# Altium PCB EBAZ4205.PcbDoc (part 2 of 6) (continued)
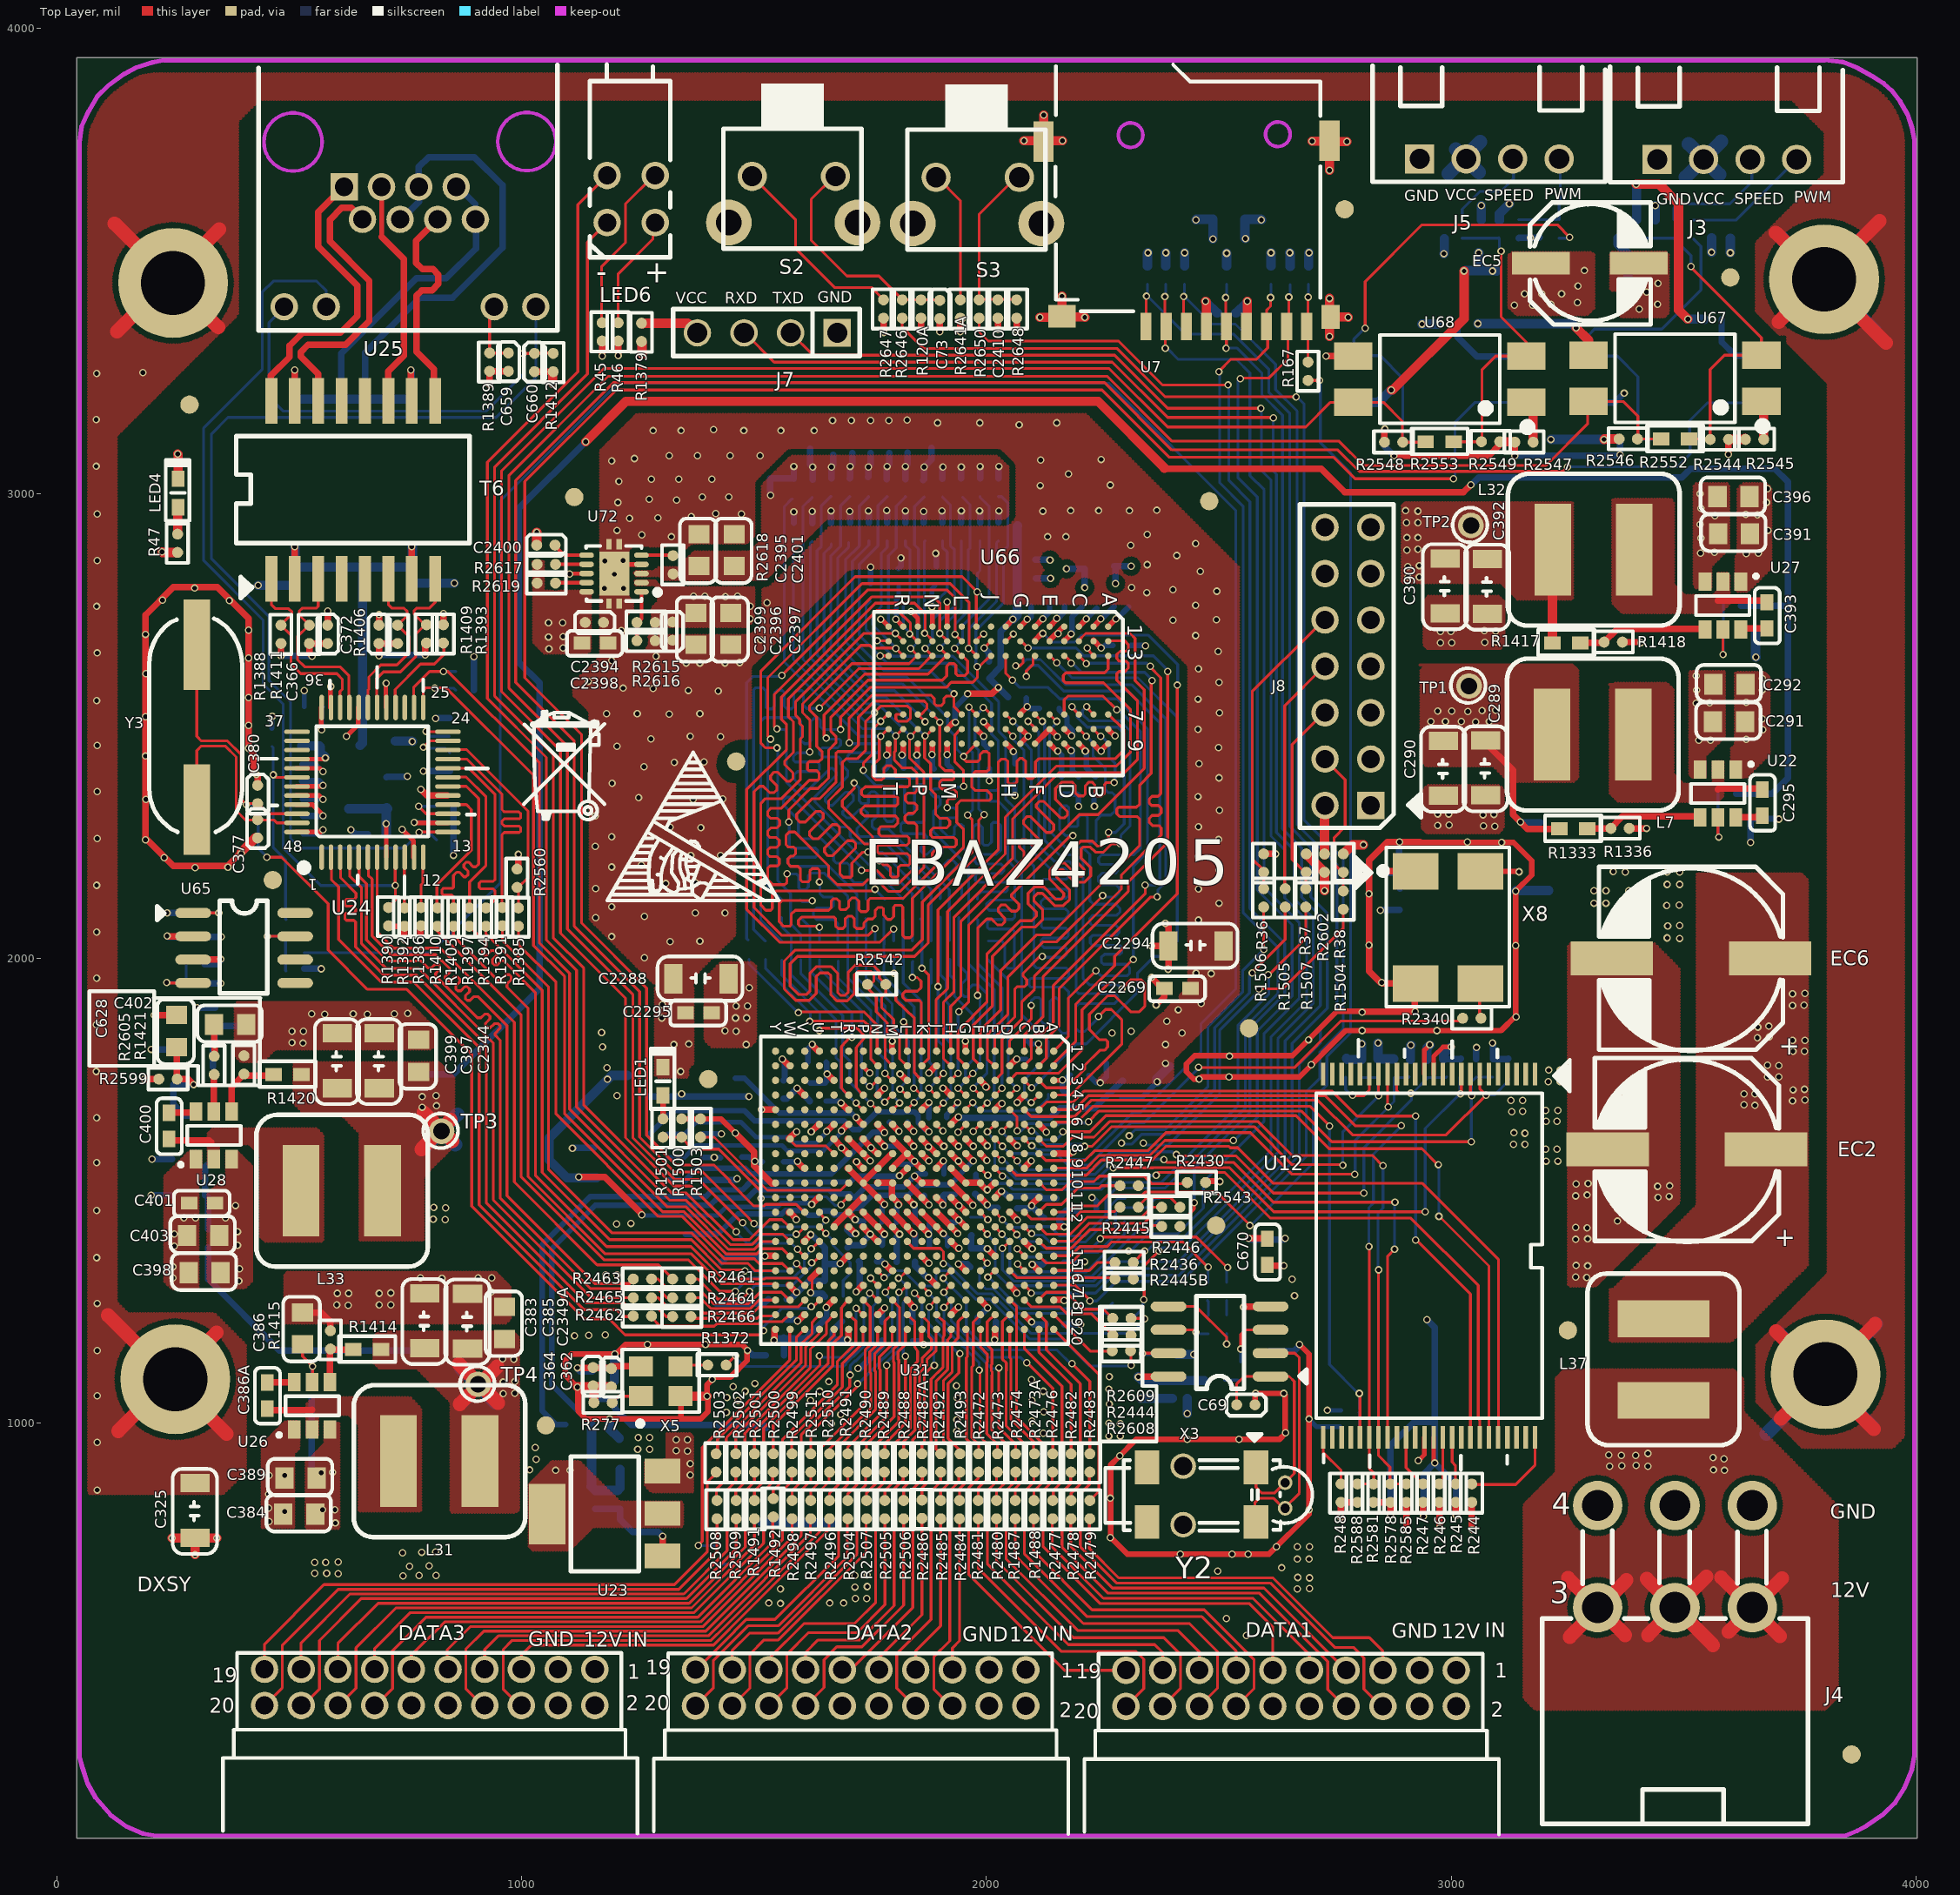
[diagram p0: Top Layer view]
## Nets (pads, with @x,y where several pads share a name; then routed paths per layer and width w, separated by ;. In a path a pad name is that pad's centre, name@x,y a point inside that pad or via, vN(x,y) a via of type N, cw(c..) or ccw(c..) an arc to the next point about the centre after c; other vN are vias at no path point) (continued)
  Bottom Layer w6: R2627.1@1585.63,2897.64 1584.65,2896.65 1584.65,2642.72 1733.52,2493.84 1779.27,2493.84 1779.52,2494.09 1789.37,2494.09 v1(1805.12,2478.35) ; v1@1733.27,2186.02 1733.27,2192.91 1579.72,2346.46 1569.88,2346.46 1562.99,2339.57 1562.99,2330.71 1595.47,2298.23 1595.47,2263.78 1602.36,2256.89 1644.69,2256.89 1671.26,2230.31 1671.26,2210.63 1677.17,2204.72 1700.79,2204.72 1706.69,2198.82 1706.69,2172.24 1716.54,2162.4 1736.22,2162.4 1741.14,2157.48 R2523.2@1741.14,2126.97
DDR-A7_0: R2524.2 R2628.1 U66.R2 | length 1426.1
  Top Layer w6: v1(1759.84,2148.62) 1755.91,2144.68 1547.24,2144.68 1539.37,2136.81 1539.37,2107.28 1535.43,2103.35 1525.59,2103.35 1514.76,2114.17 1514.76,2333.66 1524.61,2343.5 1559.06,2343.5 1599.41,2383.86 1599.41,2471.46 1604.33,2476.38 1604.33,2499.02 1598.43,2504.92 1598.43,2513.78 1589.57,2522.64 1589.57,2552.16 1736.47,2699.07 1782.32,2699.07 1782.57,2698.82 v1(1804.13,2698.82) 1818.9,2684.05 U66.R2@1820.87,2684.05
  Bottom Layer w6: v1@1762.8,2145.67 R2524.2@1781.5,2126.97 ; v1@1803.15,2699.8 1789.12,2713.83 1789.12,2865.89 1806.1,2882.87 1806.1,2972.44 1825.79,2992.13 R2628.1@1825.79,2993.11
DDR-A8_0: R2525.2 R2629.1 U66.T8 | length 1904.2
  Top Layer w6: v1@1770.67,2208.66 1778.54,2200.79 1787.4,2200.79 1793.31,2194.88 1793.31,2178.15 1797.24,2174.21 1807.09,2174.21 1810.04,2177.16 1810.04,2194.88 1814.96,2199.8 1831.69,2199.8 1835.63,2203.74 1835.63,2219.49 1829.72,2225.39 1768.7,2225.39 1764.76,2229.33 1764.76,2240.16 1767.72,2243.11 1828.74,2243.11 1833.66,2248.03 1833.66,2258.86 1829.72,2262.79 1773.62,2262.79 1768.7,2267.72 1768.7,2278.54 1773.62,2283.46 1802.17,2283.46 1809.06,2290.35 1809.06,2301.18 1804.13,2306.1 1737.2,2306.1 1735.24,2308.07 1730.32,2312.99 1730.32,2319.88 1738.19,2327.76 1805.12,2327.76 1809.06,2331.69 1809.06,2345.47 1806.1,2348.42 1736.22,2348.42 1731.3,2353.35 1731.3,2361.22 1739.17,2369.09 1830.71,2369.09 1834.65,2373.03 1834.65,2385.83 1829.72,2390.75 1806.1,2390.75 1804.13,2392.72 1804.13,2405.51 1795.28,2414.37 1785.43,2414.37 1779.53,2408.46 1779.53,2388.78 1774.61,2383.86 1761.81,2383.86 1754.92,2390.75 1754.92,2414.37 1769.52,2428.97 1769.52,2472.28 1770.67,2473.42 1770.67,2475.39 v1(1772.64,2477.36) 1787.4,2492.13 U66.T8@1789.37,2492.13
  Bottom Layer w6: R2629.1@1582.68,2988.19 1581.69,2988.19 1564.96,2971.46 1564.96,2637.79 1725.39,2477.36 v1(1772.64,2477.36) ; v1@1771.26,2208.07 1840.55,2138.78 R2525.2@1840.55,2037.4
  other v1: 1769.69,2209.65
DDR-A9_0: R2526.2 R2630.1 U66.R3 | length 1488.5
  Top Layer w6: v1(1620.08,2443.9) 1620.08,2512.79 1604.33,2528.54 1604.33,2547.24 1730.32,2673.23 1749.02,2673.23 1755.17,2667.07 1771.39,2667.07 1771.64,2667.32 1804.13,2667.32 v1(1805.12,2666.34) 1818.9,2652.56 U66.R3@1820.87,2652.56
  Bottom Layer w6: v1@1619.09,2441.93 1592.52,2441.93 1584.65,2434.05 1584.65,2426.18 1588.58,2422.24 1635.83,2422.24 1640.75,2417.32 1640.75,2406.5 1635.83,2401.57 1593.5,2401.57 1586.61,2394.68 1586.61,2384.84 1607.28,2364.17 1619.09,2364.17 1663.39,2408.46 1669.29,2408.46 1677.17,2400.59 1677.17,2393.7 1630.91,2347.44 1630.91,2336.61 1685.04,2282.48 1701.77,2282.48 1706.69,2277.56 1706.69,2261.81 1720.47,2248.03 1781.5,2248.03 1880.91,2148.62 R2526.2@1880.91,2037.4 ; R2630.1@1786.42,2897.64 1786.42,2883.86 1773.62,2871.06 1773.62,2755.91 1754.92,2737.2 1754.92,2717.52 1802.17,2670.28 v1@1802.17,2666.34
DDR-A10_0: R2527.2 R2631.1 U66.L7 | length 1670
  Top Layer w6: v1(1704.72,2463.58) 1704.72,2516.73 1753.94,2565.94 1880.91,2565.94 1887.8,2559.05 1887.8,2548.23 1892.72,2543.31 1902.56,2543.31 1908.46,2549.21 1908.46,2559.05 1913.39,2563.98 1925.2,2563.98 v1(1930.12,2568.9) 1930.12,2541.34 U66.L7@1946.85,2524.61
  Bottom Layer w6: v1@1709.65,2462.6 1710.63,2461.61 1766.73,2461.61 1770.67,2457.68 1770.67,2447.83 1764.76,2441.93 1707.68,2441.93 1701.77,2436.02 1701.77,2427.17 1705.71,2423.23 1752.95,2423.23 1761.81,2414.37 1761.81,2392.72 1766.73,2387.79 1895.67,2387.79 1902.56,2380.91 1902.56,2370.08 1896.65,2364.17 1887.8,2364.17 1880.91,2357.28 1880.91,2353.35 1886.81,2347.44 1897.64,2347.44 1900.59,2344.49 1900.59,2330.71 1885.83,2315.94 1885.83,2272.64 1961.61,2196.85 R2527.2@1961.61,2037.4 ; R2631.1@1747.05,2897.64 1747.05,2888.78 1711.61,2853.35 1711.61,2687.01 1779.53,2619.09 1878.94,2619.09 1927.17,2570.87 v1@1927.17,2569.88
DDR-A11_0: R2528.2 R2632.1 U66.R7 | length 1669.1
  Top Layer w6: v1(1715.55,2376.97) 1715.55,2365.16 1689.96,2339.57 1689.96,2326.77 1754.92,2261.81 1754.92,2250.98 1750,2246.06 1737.2,2246.06 1660.43,2322.83 1660.43,2338.58 1689.96,2368.11 1689.96,2421.26 1697.83,2429.13 1721.46,2429.13 1740.16,2447.83 1740.16,2509.84 v1(1758.86,2528.54) 1772.64,2542.32 1830.71,2542.32 1836.61,2536.42 1836.61,2516.73 1829.72,2509.84 1810.04,2509.84 1805.12,2514.76 1805.12,2523.62 1806.1,2524.61 U66.R7@1820.87,2524.61
  Bottom Layer w6: R2632.1@1625,2896.65 1621.06,2892.72 1621.06,2646.65 1739.17,2528.54 v1@1755.91,2528.54 ; v1(1715.55,2376.97) 1726.38,2366.14 1726.38,2338.58 1732.28,2332.68 1744.09,2332.68 1746.06,2334.65 1746.06,2352.36 1751.97,2358.27 1759.84,2358.27 1766.73,2351.38 1766.73,2308.07 1753.94,2295.28 1753.94,2283.46 1759.84,2277.56 1790.35,2277.56 1920.28,2147.64 R2528.2@1920.28,2038.39
DDR-A12_0: R2529.2 R2633.1 U66.N7 | length 1689.1
  Top Layer w6: U66.N7@1883.86,2524.61 1899.61,2508.86 1899.61,2444.87 1899.35,2444.62 1899.35,2431.36 1899.61,2431.11 1899.61,2414.37 1910.43,2403.54 1926.18,2403.54 1930.12,2399.61 1930.12,2386.81 1927.17,2383.86 1904.53,2383.86 1899.61,2378.94 1899.61,2369.09 1904.53,2364.17 1929.13,2364.17 1935.04,2358.27 1935.04,2347.44 1931.1,2343.5 1920.28,2343.5 1915.35,2338.58 v1(1915.35,2323.82)
  Bottom Layer w6: R2633.1@1703.74,2894.68 1703.74,2884.84 1680.12,2861.22 1680.12,2673.23 1762.8,2590.55 1818.9,2590.55 1899.61,2509.84 v1(1899.61,2507.87) ; v1@1918.31,2323.82 1930.12,2323.82 1936.02,2317.91 1936.02,2305.12 1933.07,2302.17 1904.53,2302.17 1900.59,2298.23 1900.59,2278.54 1917.32,2261.81 1926.18,2261.81 1931.1,2266.73 1931.1,2282.48 1936.02,2287.4 1946.85,2287.4 1950.79,2283.46 1950.79,2236.22 1954.72,2232.28 1965.55,2232.28 1971.46,2238.19 1971.46,2281.5 1977.36,2287.4 1985.24,2287.4 1991.14,2281.5 1991.14,2247.05 1995.08,2243.11 2003.94,2243.11 2010.83,2250 2010.83,2288.39 2014.76,2292.32 2023.62,2292.32 2030.51,2285.43 2030.51,2232.28 2021.65,2223.42 1980.32,2223.42 1975.39,2218.5 1975.39,2207.68 1980.32,2202.76 2031.5,2202.76 2037.4,2196.85 2037.4,2187.99 2031.5,2182.09 1980.32,2182.09 1976.38,2178.15 1976.38,2167.32 1980.32,2163.39 2042.32,2163.39 2045.28,2160.43 2045.28,2146.65 2041.34,2142.72 1988.19,2142.72 1980.32,2134.84 R2529.2@1980.32,2126.97
DDR-A13_0: R2530.2 R2634.1 U66.T3 | length 1639.8
  Top Layer w6: v1@1769.69,2650.59 1787.4,2650.59 U66.T3@1789.37,2652.56
  Bottom Layer w6: R2634.1@1786.42,2993.11 1766.73,2973.42 1766.73,2887.79 1726.38,2847.44 1726.38,2694.88 1786.42,2634.84 1924.21,2634.84 2010.83,2548.23 2010.83,2482.28 2025.59,2467.52 2025.59,2365.16 2021.65,2361.22 2003.94,2361.22 2000.98,2358.27 2000.98,2344.49 2007.87,2337.6 2025.59,2337.6 2046.26,2316.93 2046.26,2209.65 2061.02,2194.88 2061.02,2130.91 2055.12,2125 2008.86,2125 2000,2116.14 2000,2109.25 2005.91,2103.35 2057.09,2103.35 2061.02,2099.41 2061.02,2088.58 2056.1,2083.66 2008.86,2083.66 2001.97,2076.77 2001.97,2066.93 2005.91,2062.99 2055.12,2062.99 2060.04,2058.07 2060.04,1980.31 2058.07,1978.35 2045.28,1978.35 2039.37,1984.25 2039.37,2030.51 2032.48,2037.4 R2530.2@2003.94,2037.4
  other v1: 1771.65,2650.59
DDR-A14_0: R2531.2 R2635.1 U66.T7 | length 1634.4
  Top Layer w6: v1(1735.24,2404.53) 1735.24,2419.29 1753.94,2437.99 1753.94,2491.14 v1(1772.64,2509.84) 1787.4,2524.61 U66.T7@1789.37,2524.61
  Bottom Layer w6: R2635.1@1625,2991.14 1605.32,2971.46 1605.32,2642.72 1739.17,2508.86 1771.65,2508.86 v1(1772.64,2509.84) ; v1@1736.22,2402.56 1736.22,2397.64 1761.81,2372.05 1775.59,2372.05 1780.51,2367.13 1780.51,2300.2 1786.42,2294.29 1797.24,2294.29 1802.17,2299.21 1802.17,2363.19 1810.04,2371.06 1818.9,2371.06 1823.82,2366.14 1823.82,2312.99 1827.76,2309.05 1839.57,2309.05 1845.47,2314.96 1845.47,2368.11 1851.38,2374.02 1861.22,2374.02 1866.14,2369.09 1866.14,2296.26 1862.2,2292.32 1819.88,2292.32 1815.95,2288.39 1815.95,2272.64 1820.87,2267.72 1866.14,2267.72 1872.05,2261.81 1872.05,2251.97 1858.27,2238.19 1858.27,2231.3 1866.14,2223.42 1872.05,2223.42 1889.76,2241.14 1898.62,2241.14 1904.53,2235.24 1904.53,2226.38 1887.8,2209.65 1887.8,2199.8 1892.72,2194.88 1902.56,2194.88 1918.31,2210.63 1928.15,2210.63 1936.02,2202.76 1936.02,2197.83 1917.32,2179.13 1917.32,2171.26 1926.18,2162.4 1941.93,2162.4 1946.85,2157.48 1946.85,2132.87 R2531.2@1940.95,2126.97
DDR-BA0_0: R2514.2 R2636.1 U66.M2 | length 1418
  Top Layer w6: v1(1549.21,2493.11) 1543.31,2499.02 1543.31,2566.93 1753.94,2777.56 1885.83,2777.56 1899.61,2763.78 v1(1899.61,2698.82) 1914.37,2684.05 U66.M2@1915.36,2684.05
  Bottom Layer w6: v1@1547.24,2492.13 1564.96,2492.13 1569.88,2487.2 1569.88,2377.95 1819.88,2127.95 R2514.2@1819.88,2126.97 ; v1(1899.61,2698.82) 1899.61,2725.39 1931.35,2757.14 1931.35,2783.35 1931.1,2783.6 1931.1,2878.94 1922.24,2887.79 1922.24,2975.39 R2636.1@1905.51,2992.13
DDR-BA1_0: R2515.2 R2637.1 U66.N8 | length 1625.7
  Top Layer w6: v1(1625,2124.02) 1560.04,2124.02 1554.13,2118.11 1554.13,2078.74 1563.98,2068.9 1576.77,2068.9 1579.72,2071.85 1579.72,2094.49 1588.58,2103.35 1660.43,2103.35 1666.34,2109.25 1666.34,2124.02 1670.28,2127.95 1678.15,2127.95 1684.06,2122.05 1684.06,2107.28 1687.01,2104.33 1696.85,2104.33 1703.74,2111.22 1703.74,2123.03 1710.63,2129.92 1718.5,2129.92 1725.39,2123.03 1725.39,2105.31 1730.32,2100.39 1741.14,2100.39 1745.08,2104.33 1745.08,2124.02 1750,2128.94 1820.87,2128.94 1891.73,2199.8 1891.73,2208.66 1883.86,2216.54 1883.86,2226.38 1896.65,2239.17 1930.12,2239.17 1935.04,2244.09 1935.04,2254.92 1930.12,2259.84 1884.84,2259.84 1879.92,2264.76 1879.92,2274.61 1885.83,2280.51 1914.37,2280.51 1921.26,2287.4 1921.26,2295.28 1915.35,2301.18 1899.61,2301.18 1890.75,2310.04 1890.75,2352.36 1879.92,2363.19 1879.92,2418.31 1866.97,2431.26 1866.97,2446.97 1866.97,2477.2 v1(1868.11,2478.35) 1870.08,2478.35 U66.N8@1883.86,2492.13
  Bottom Layer w6: R2515.2@1599.41,2125.98 1603.35,2122.05 v1@1620.08,2122.05 ; R2637.1@1666.34,2891.73 1666.34,2886.81 1650.59,2871.06 1650.59,2658.46 1748.03,2561.02 1784.45,2561.02 1867.13,2478.35 v1(1868.11,2478.35)
DDR-BA2_0: R2516.2 R2638.1 U66.M3 | length 1403.3
  Top Layer w6: v1(1655.51,2473.42) 1650.59,2478.35 1650.59,2523.62 1738.19,2611.22 1874.02,2611.22 1915.36,2652.56 1914.37,2652.56 v1(1899.61,2667.32)
  Bottom Layer w6: v1@1659.45,2471.46 1683.07,2471.46 1686.02,2468.5 1686.02,2458.66 1680.12,2452.76 1646.65,2452.76 1640.75,2446.85 1640.75,2438.98 1646.65,2433.07 1682.09,2433.07 1686.02,2429.13 1686.02,2418.31 1701.77,2402.56 1701.77,2392.72 1653.54,2344.49 1653.54,2337.6 1662.4,2328.74 1668.31,2328.74 1696.85,2357.28 1706.69,2357.28 1713.58,2350.39 1713.58,2338.58 1690.95,2315.94 1690.95,2310.04 1698.82,2302.17 1708.66,2302.17 1726.38,2319.88 1737.2,2319.88 1744.09,2312.99 1744.09,2302.16 1721.46,2279.53 1721.46,2267.72 1727.36,2261.81 1787.4,2261.81 1900.59,2148.62 R2516.2@1900.59,2127.95 ; v1(1899.61,2667.32) 1916.09,2683.8 1916.09,2723.17 1945.87,2752.95 R2638.1@1945.87,2897.64
DDR-CAS_0: R2533.2 R2640.1 U66.K3 | length 1402.2
  Top Layer w6: v1(1535.43,2471.46) 1529.53,2477.36 1529.53,2603.35 1732.28,2806.1 1922.24,2806.1 1962.6,2765.75 1962.6,2667.32 1977.36,2652.56 U66.K3@1978.35,2652.56
  Bottom Layer w6: v1@1532.48,2469.49 1529.53,2466.54 1529.53,2156.5 R2533.2@1559.06,2126.97 ; v1(1961.61,2666.34) 1961.61,2707.68 2021.65,2767.72 2021.65,2893.7 R2640.1@2025.59,2897.64
DDR-CK#_0: R2542.1 U31.M2 U66.K7 | length 1532.1
  Top Layer w6: R2542.1@1744.09,1943.9 1750.98,1943.9 1757.87,1950.79 1757.87,1965.55 1751.97,1971.46 1723.43,1971.46 1715.55,1963.58 1715.55,1923.23 1700.79,1908.46 1678.15,1908.46 1665.35,1921.26 1665.35,1962.6 1659.45,1968.5 1641.73,1968.5 1633.86,1960.63 1633.86,1924.21 1619.09,1909.45 1589.57,1909.45 1564.96,1934.05 1564.96,1994.09 1588.58,2017.72 1839.57,2017.72 1862.2,2040.35 1862.2,2121.06 1969.49,2228.35 1969.49,2298.23 v1(1959.65,2308.07) ; R2542.1@1747.05,1939.96 1747.05,1933.07 1762.8,1917.32 1762.8,1884.84 1786.42,1861.22 1786.42,1837.6 1782,1831 1782,1786 U31.M2@1796.52,1768.75 ; v1@1961.61,2540.35 v1(1962.6,2540.35) U66.K7@1978.35,2524.61
  Bottom Layer w6: v1@1958.66,2308.07 1970.47,2319.88 1970.47,2441.93 1962.6,2449.8 v1(1962.6,2540.35)
DDR-CK_0: R2542.2 U31.L2 U66.J7 | length 1544.6
  Top Layer w6: R2542.2@1783.46,1941.93 1783.46,1925.2 1774.61,1916.34 1774.61,1893.7 1800.2,1868.11 1800.2,1845.47 1813.24,1832.42 1813.24,1815.22 1812.99,1814.97 1812.99,1783.93 U31.L2@1828.17,1768.75 ; R2542.2@1783.46,1943.9 1769.69,1957.68 1769.69,1971.46 1755.91,1985.24 1717.52,1985.24 1702.76,1970.47 1702.76,1927.17 1695.87,1920.28 1686.02,1920.28 1680.12,1926.18 1680.12,1967.52 1665.35,1982.28 1634.84,1982.28 1620.08,1967.52 1620.08,1929.13 1613.19,1922.24 1595.47,1922.24 1577.76,1939.96 1577.76,1988.19 1593.5,2003.94 1845.47,2003.94 1875,2033.46 1875,2115.16 1983.27,2223.42 1983.27,2297.24 v1(1995.08,2309.05) ; v1@1994.09,2541.34 1994.09,2540.35 U66.J7@2009.84,2524.61
  Bottom Layer w6: v1@1993.11,2538.39 1975.39,2520.67 1975.39,2455.71 1983.27,2447.83 1983.27,2320.87 v1(1995.08,2309.05)
  other v1: 1993.11,2539.37
DDR-CKE_0: R2536.2 R2644.1 U66.K9 | length 1935.1
  Top Layer w6: v1@1640.75,2068.9 1599.41,2068.9 1595.47,2072.83 1595.47,2081.69 1602.36,2088.58 1672.24,2088.58 1675.2,2085.63 1675.2,2069.88 1681.1,2063.98 1690.95,2063.98 1695.87,2068.9 1695.87,2084.65 1701.77,2090.55 1710.63,2090.55 1715.55,2085.63 1715.55,2068.9 1720.47,2063.98 1732.28,2063.98 1736.22,2067.91 1736.22,2075.79 1745.08,2084.65 1754.92,2084.65 1760.83,2090.55 1760.83,2103.35 1766.73,2109.25 1775.59,2109.25 1778.54,2106.3 1778.54,2092.52 1787.4,2083.66 1794.29,2083.66 1800.2,2089.57 1800.2,2110.24 1804.13,2114.17 1815.95,2114.17 1819.88,2110.24 1819.88,2049.21 1824.8,2044.29 1835.63,2044.29 1840.55,2049.21 1840.55,2128.94 1950.79,2239.17 1950.79,2277.56 1936.02,2292.32 1936.02,2330.71 1944.88,2339.57 2005.91,2339.57 2009.84,2343.5 2009.84,2352.36 2000.98,2361.22 1975.39,2361.22 1968.5,2368.11 1968.5,2393.7 1976.38,2401.57 2000.98,2401.57 2005.91,2406.5 2005.91,2439.96 2000.98,2444.88 1993.11,2444.88 1986.22,2437.99 1986.22,2428.15 1981.3,2423.23 1956.69,2423.23 1950.79,2429.13 v1(1950.79,2434.05) U66.K9@1978.35,2461.61
  Bottom Layer w6: R2536.2@1640.75,2036.42 v1@1640.75,2064.96 ; R2644.1@1746.06,2993.11 1746.06,2992.13 1726.38,2972.44 1726.38,2886.81 1696.85,2857.28 1696.85,2681.1 1772.64,2605.31 1828.74,2605.31 1916.34,2517.72 1916.34,2494.09 1935.04,2475.39 1935.04,2450.79 v1@1947.83,2437.99
  other v1: 1640.75,2066.93
DDR-CS_0: R2535.2 R2643.1 U66.L2 | length 1507.5
  Top Layer w6: v1(1560.04,2608.27) 1744.09,2792.32 1915.35,2792.32 1933.07,2774.61 1933.07,2719.45 1932.96,2719.34 1932.96,2707.83 1933.07,2707.72 1933.07,2701.77 1930.12,2698.82 v1(1932.09,2696.85) 1944.88,2684.05 U66.L2@1946.85,2684.05
  Bottom Layer w6: R2535.2@1487.2,2039.37 1484.25,2042.32 1484.25,2592.52 1498.03,2606.3 1558.07,2606.3 v1(1560.04,2608.27) ; v1(1932.09,2696.85) 1932.09,2718.5 1960.63,2747.05 1960.63,2877.95 1964.57,2881.89 1964.57,2975.39 R2643.1@1948.82,2991.14
DDR-DQ0_0: U31.C3 U66.E3 | length 1299.4
  Top Layer w6: U31.C3@2081.38,1737.31 2097.23,1721.46 v1(2097.44,1721.46) ; U66.E3@2135.83,2652.56 2135.83,2651.57 v1(2151.58,2635.83)
  Bottom Layer w6: v1@2100.39,1723.42 2101.38,1723.42 2193.9,1815.94 2214.57,1815.94 2324.8,1926.18 2324.8,1967.52 2361.22,2003.94 2377.95,2003.94 2410.43,2036.42 2410.43,2518.7 2325.79,2603.35 2184.06,2603.35 v1(2151.58,2635.83)
DDR-DQ1_0: U31.B3 U66.F7 | length 1281.7
  Top Layer w6: U66.F7@2104.33,2524.61 2119.09,2509.84 v1(2120.08,2509.84) ; U31.B3@2113.03,1737.31 2128.89,1721.46 2171.26,1721.46 2211.61,1761.81 2211.61,1769.68 2244.09,1802.17 2253.94,1802.17 2260.83,1809.05 2260.83,1820.87 2256.89,1824.8 2243.11,1824.8 2221.46,1846.46 2221.46,1879.92 2260.83,1919.29 2275.59,1919.29 2310.04,1884.84 2328.74,1884.84 2340.55,1896.65 2340.55,1945.87 2332.68,1953.74 2310.04,1953.74 2291.34,1935.04 v1(2291.34,1934.05)
  Bottom Layer w6: v1(2120.08,2509.84) 2125,2504.92 2125,2253.94 2156.5,2222.44 2193.9,2222.44 2207.68,2208.66 2207.68,1956.69 2221.46,1942.91 2282.48,1942.91 v1(2291.34,1934.05)
DDR-DQ2_0: U31.A2 U66.F2 | length 1323.2
  Top Layer w6: U31.A2@2144.69,1768.75 2144.69,1773.62 2191.93,1820.87 2191.93,1900.59 2275.59,1984.25 2275.59,2003.94 2410.43,2138.78 v1(2410.43,2587.6) v1@2409.45,2588.58
  Top Layer w12: U66.F2@2104.33,2684.06 v1@2120.08,2699.8
  Bottom Layer w6: v1@2122.05,2698.82 2140.75,2680.12 2189.96,2680.12 2204.72,2694.88 2348.43,2694.88 2411.42,2631.89 v1@2411.42,2590.55
  other v1: 2121.06,2698.82
DDR-DQ3_0: U31.A4 U66.F8 | length 1283.4
  Top Layer w6: v1(2089.57,2509.84) 2104.33,2495.08 U66.F8@2104.33,2492.13 ; U31.A4@2144.69,1705.86 2181.26,1705.86 2291.34,1815.94 2291.34,1867.13 2268.7,1889.76 2255.91,1889.76 v1(2241.14,1875)
  Bottom Layer w6: v1@2092.52,2506.89 2112.2,2487.2 2112.2,2242.13 2145.67,2208.66 2177.17,2208.66 2192.91,2192.91 2192.91,1929.13 2197.83,1924.21 2276.58,1924.21 2282.48,1918.31 2282.48,1909.45 2275.59,1902.56 2198.82,1902.56 2191.93,1895.67 2191.93,1849.41 2198.82,1842.52 2211.61,1842.52 2241.14,1872.05 v1(2241.14,1875)
DDR-DQ4_0: U31.D3 U66.H3 | length 1328.7
  Top Layer w6: U66.H3@2041.34,2652.56 2041.34,2613.19 v1(2056.1,2598.42) ; U31.D3@2049.73,1737.31 2065.38,1752.95 2155.51,1752.95 2205.71,1803.15 2205.71,1888.78 2313.98,1997.05 v1(2315.95,1997.05)
  Bottom Layer w6: v1(2056.1,2598.42) 2071.85,2582.68 2132.87,2582.68 2157.48,2558.07 2281.5,2558.07 2346.46,2493.11 2346.46,2228.35 2315.95,2197.83 2315.95,1998.03 v1@2317.91,1996.06
DDR-DQ5_0: U31.D1 U66.H8 | length 1283.6
  Top Layer w6: U66.H8@2041.34,2492.13 2042.32,2492.13 v1(2057.09,2477.36) ; U31.D1@2049.73,1800.2 2049.73,1822.37 2096.46,1869.09 v1(2096.46,1898.62)
  Bottom Layer w6: v1@2058.07,2479.33 2058.07,2470.47 2080.71,2447.83 2080.71,2219.49 2102.36,2197.83 2102.36,1984.25 2107.28,1979.33 2171.26,1979.33 2177.17,1973.42 2177.17,1961.61 2172.24,1956.69 2095.47,1956.69 2091.54,1952.76 2091.54,1941.93 2095.47,1937.99 2166.34,1937.99 2177.17,1927.16 2177.17,1844.49 2171.26,1838.58 2163.39,1838.58 2155.51,1846.46 2155.51,1909.45 2149.61,1915.35 2144.69,1915.35 2136.81,1907.48 2136.81,1863.19 2131.89,1858.27 2124.02,1858.27 2117.13,1865.16 2117.13,1911.42 2113.19,1915.35 2103.35,1915.35 2096.46,1908.46 v1(2096.46,1898.62)
DDR-DQ6_0: U31.C1 U66.G2 | length 1293.7
  Top Layer w6: U66.G2@2072.84,2684.05 v1(2089.57,2667.32) ; U31.C1@2081.38,1800.2 2081.38,1834.33 2122.05,1875 2122.05,1960.63 2305.12,2143.7 2305.12,2164.37 2389.76,2249.02 v1(2389.76,2617.13)
  Bottom Layer w6: v1(2089.57,2667.32) 2192.91,2667.32 2209.65,2650.59 2359.25,2650.59 v1@2393.7,2616.14
DDR-DQ7_0: U31.E1 U66.H7 | length 1330.2
  Top Layer w6: U31.E1@2018.08,1800.2 2018.08,1831.07 2061.02,1874.02 2061.02,1934.05 2065.95,1938.98 2081.69,1938.98 2086.61,1943.9 2086.61,1953.74 2078.74,1961.61 2078.74,1967.52 2115.16,2003.94 v1(2120.08,2003.94) ; U66.H7@2041.34,2524.61 2042.32,2524.61 v1(2057.09,2509.84)
  Bottom Layer w6: v1(2057.09,2509.84) 2073.09,2493.84 2073.09,2471.21 2082.94,2461.36 2083.91,2461.36 2096.46,2448.82 2096.46,2233.27 2136.81,2192.91 2169.29,2192.91 2177.17,2185.04 2177.17,2175.2 2172.24,2170.28 2124.02,2170.28 2117.13,2163.39 2117.13,2153.54 2122.05,2148.62 2171.26,2148.62 2177.17,2142.72 2177.17,2134.84 2171.26,2128.94 2124.02,2128.94 2117.13,2122.05 2117.13,2114.17 2125,2106.3 2170.28,2106.3 2176.18,2100.39 2176.18,2092.52 2168.31,2084.65 2123.03,2084.65 2118.11,2079.72 2118.11,2068.9 2122.05,2064.96 2171.26,2064.96 2176.18,2060.04 2176.18,2048.23 2171.26,2043.31 2122.05,2043.31 2117.13,2038.39 2117.13,2029.53 2124.02,2022.64 2170.28,2022.64 2172.24,2020.67 2172.24,2007.87 2166.34,2001.97 2122.05,2001.97 v1(2120.08,2003.94)
DDR-DQ8_0: U31.E2 U66.D7 | length 1288.5
  Top Layer w6: U31.E2@2018.08,1768.75 2016.68,1768.75 2001.97,1783.46 2001.97,1835.63 2046.26,1879.92 2046.26,1959.65 2122.05,2035.43 2151.58,2035.43 2250,2133.86 v1(2250,2134.84) ; U66.D7@2167.32,2524.61 2167.32,2556.1 2175.2,2563.98 2250.98,2563.98 v1(2280.51,2534.45)
  Bottom Layer w6: v1(2250,2134.84) 2252.95,2131.89 2276.58,2131.89 2285.43,2140.75 2285.43,2151.57 2278.54,2158.46 2248.03,2158.46 2241.14,2165.35 2241.14,2175.2 2249.02,2183.07 2277.56,2183.07 2282.48,2187.99 2282.48,2195.87 2276.57,2201.77 2246.06,2201.77 2241.14,2206.69 2241.14,2215.55 2248.03,2222.44 2316.93,2222.44 2331.69,2237.2 2331.69,2487.2 2286.42,2532.48 v1@2285.43,2532.48
DDR-DQ9_0: U31.E3 U66.C3 | length 1288.3
  Top Layer w6: U31.E3@2018.08,1737.31 2033.46,1752.69 2033.46,1825.79 2075.79,1868.11 2075.79,1905.51 2103.35,1933.07 2103.35,1961.61 2290.35,2148.62 2290.35,2179.13 2375.98,2264.76 2375.98,2280.51 2371.06,2285.43 2357.28,2285.43 2350.39,2292.32 2350.39,2301.18 2356.3,2307.09 2370.08,2307.09 2375.98,2312.99 2375.98,2322.83 2370.08,2328.74 2355.32,2328.74 2350.39,2333.66 2350.39,2342.52 2356.3,2348.42 2369.09,2348.42 2375,2354.33 2375,2603.35 v1@2350.39,2627.95 ; U66.C3@2198.82,2652.56 2198.82,2650.59 v1@2214.57,2634.84
  Bottom Layer w6: v1@2214.57,2634.84 2345.47,2634.84 v1(2352.36,2627.95)
  other v1: 2214.57,2633.86
DDR-DQ10_0: U31.G3 U66.C8 | length 1305.6
  Top Layer w6: U31.G3@1954.78,1737.31 1969.44,1751.97 v1(1970.47,1751.97) ; v1@1982.28,1920.28 v1(1981.3,1920.28) 1981.3,2064.96 2000.98,2084.65 2010.83,2084.65 2023.62,2071.85 2033.46,2071.85 2039.37,2077.76 2039.37,2086.61 2025.59,2100.39 2025.59,2108.27 2032.48,2115.16 2040.35,2115.16 2054.13,2101.38 2063.98,2101.38 2069.88,2107.28 2069.88,2116.14 2054.13,2131.89 2054.13,2136.81 2181.1,2263.78 v1(2186.02,2263.78) ; U66.C8@2198.82,2492.13 2199.8,2492.13 v1(2214.57,2477.36)
  Bottom Layer w6: v1(1970.47,1751.97) 1986.22,1767.72 1986.22,1913.39 v1@1983.27,1916.34 ; v1@2182.09,2263.78 2170.28,2263.78 2157.48,2276.57 2157.48,2320.87 2164.37,2327.76 2173.23,2327.76 2177.17,2323.82 2177.17,2285.43 2179.13,2283.46 2194.88,2283.46 2196.85,2285.43 2196.85,2302.17 2202.76,2308.07 2212.6,2308.07 2217.52,2303.15 2217.52,2252.95 2222.44,2248.03 2232.28,2248.03 2236.22,2251.97 2236.22,2297.24 2247.05,2308.07 2267.72,2308.07 2276.58,2316.93 2276.58,2350.39 2270.67,2356.3 2261.81,2356.3 2255.91,2362.2 2255.91,2408.46 2229.33,2435.04 2229.33,2463.58 2215.55,2477.36 v1(2214.57,2477.36)
DDR-DQ11_0: U31.H3 U66.C2 | length 1290.7
  Top Layer w6: U31.H3@1923.13,1737.31 1923.33,1737.31 v1@1937.99,1751.97 ; v1@1939.96,1883.86 v1(1940.95,1884.84) 1961.61,1905.51 1961.61,2070.87 2199.8,2309.05 2240.16,2309.05 2339.57,2408.46 2339.57,2577.76 2319.88,2597.44 2319.88,2687.99 2309.06,2698.82 2213.58,2698.82 U66.C2@2198.82,2684.05
  Bottom Layer w6: v1@1937.01,1750 v1(1938.98,1751.97) 1938.98,1814.97 1938.72,1815.22 1938.72,1882.62 v1(1940.95,1884.84)
DDR-DQ12_0: U31.J3 U66.A7 | length 1286.7
  Top Layer w6: U31.J3@1891.47,1737.31 1892.82,1737.31 v1(1907.48,1751.97) ; v1(1895.67,1938.98) 1895.67,2104.33 2025.59,2234.25 2025.59,2422.24 2031.5,2428.15 2041.34,2428.15 2046.26,2423.23 2046.26,2377.95 2049.21,2375 2061.02,2375 2065.95,2379.92 2065.95,2424.21 2071.85,2430.12 2077.76,2430.12 2084.65,2423.23 2084.65,2391.73 2089.57,2386.81 2099.41,2386.81 2105.32,2392.72 2105.32,2422.24 2112.2,2429.13 2276.58,2429.13 2295.28,2447.83 2295.28,2492.13 2262.8,2524.61 U66.A7@2261.81,2524.61
  Bottom Layer w6: v1@1895.67,1935.04 1895.67,1822.83 1907.48,1811.02 v1(1907.48,1751.97)
DDR-DQ13_0: U31.H2 U66.A2 | length 1285
  Top Layer w6: U31.H2@1923.13,1768.75 1907.48,1784.4 1907.48,1905.51 1930.12,1928.15 1930.12,2088.58 2056.1,2214.57 2056.1,2299.21 2156.5,2399.61 2297.24,2399.61 2324.8,2427.17 2324.8,2554.13 2280.51,2598.42 2280.51,2612.2 2285.43,2617.13 2298.23,2617.13 2305.12,2624.02 2305.12,2634.84 2301.18,2638.78 2286.42,2638.78 2280.51,2644.68 2280.51,2653.54 2287.4,2660.43 2301.18,2660.43 2305.12,2664.37 2305.12,2675.2 2297.24,2683.07 U66.A2@2264.76,2683.07
DDR-DQ14_0: U31.H1 U66.B8 | length 1300.3
  Top Layer w6: U31.H1@1923.13,1800.2 1923.13,1896.55 1944.88,1918.31 1944.88,2078.74 2080.71,2214.57 2080.71,2229.33 2070.87,2239.17 2070.87,2250 2076.77,2255.91 2084.65,2255.91 2097.44,2243.11 2110.24,2243.11 2114.17,2247.05 2114.17,2254.92 2079.72,2289.37 2079.72,2297.24 2087.6,2305.12 2094.49,2305.12 2128.94,2270.67 2138.78,2270.67 2144.69,2276.57 2144.69,2287.4 2107.28,2324.8 2107.28,2330.71 2114.17,2337.6 2123.03,2337.6 2158.46,2302.17 2168.31,2302.17 2174.21,2308.07 2174.21,2315.94 2148.62,2341.54 2148.62,2365.16 2162.4,2378.94 2184.06,2378.94 2190.95,2372.05 2190.95,2356.3 2197.83,2349.41 2208.66,2349.41 2212.6,2353.35 2212.6,2371.06 2220.47,2378.94 2227.36,2378.94 2233.27,2373.03 2233.27,2354.33 2238.19,2349.41 2248.03,2349.41 2253.94,2355.31 2253.94,2374.02 2257.87,2377.95 v1(2274.61,2377.95) ; U66.B8@2230.32,2492.13 2245.08,2477.36 v1(2246.06,2477.36)
  Bottom Layer w6: v1(2246.06,2477.36) 2248.03,2477.36 2263.78,2461.61 2263.78,2432.09 2276.58,2419.29 v1@2276.58,2379.92